# Altium PCB MOTOR SECOND.PcbDoc (part 2 of 4) (continued)
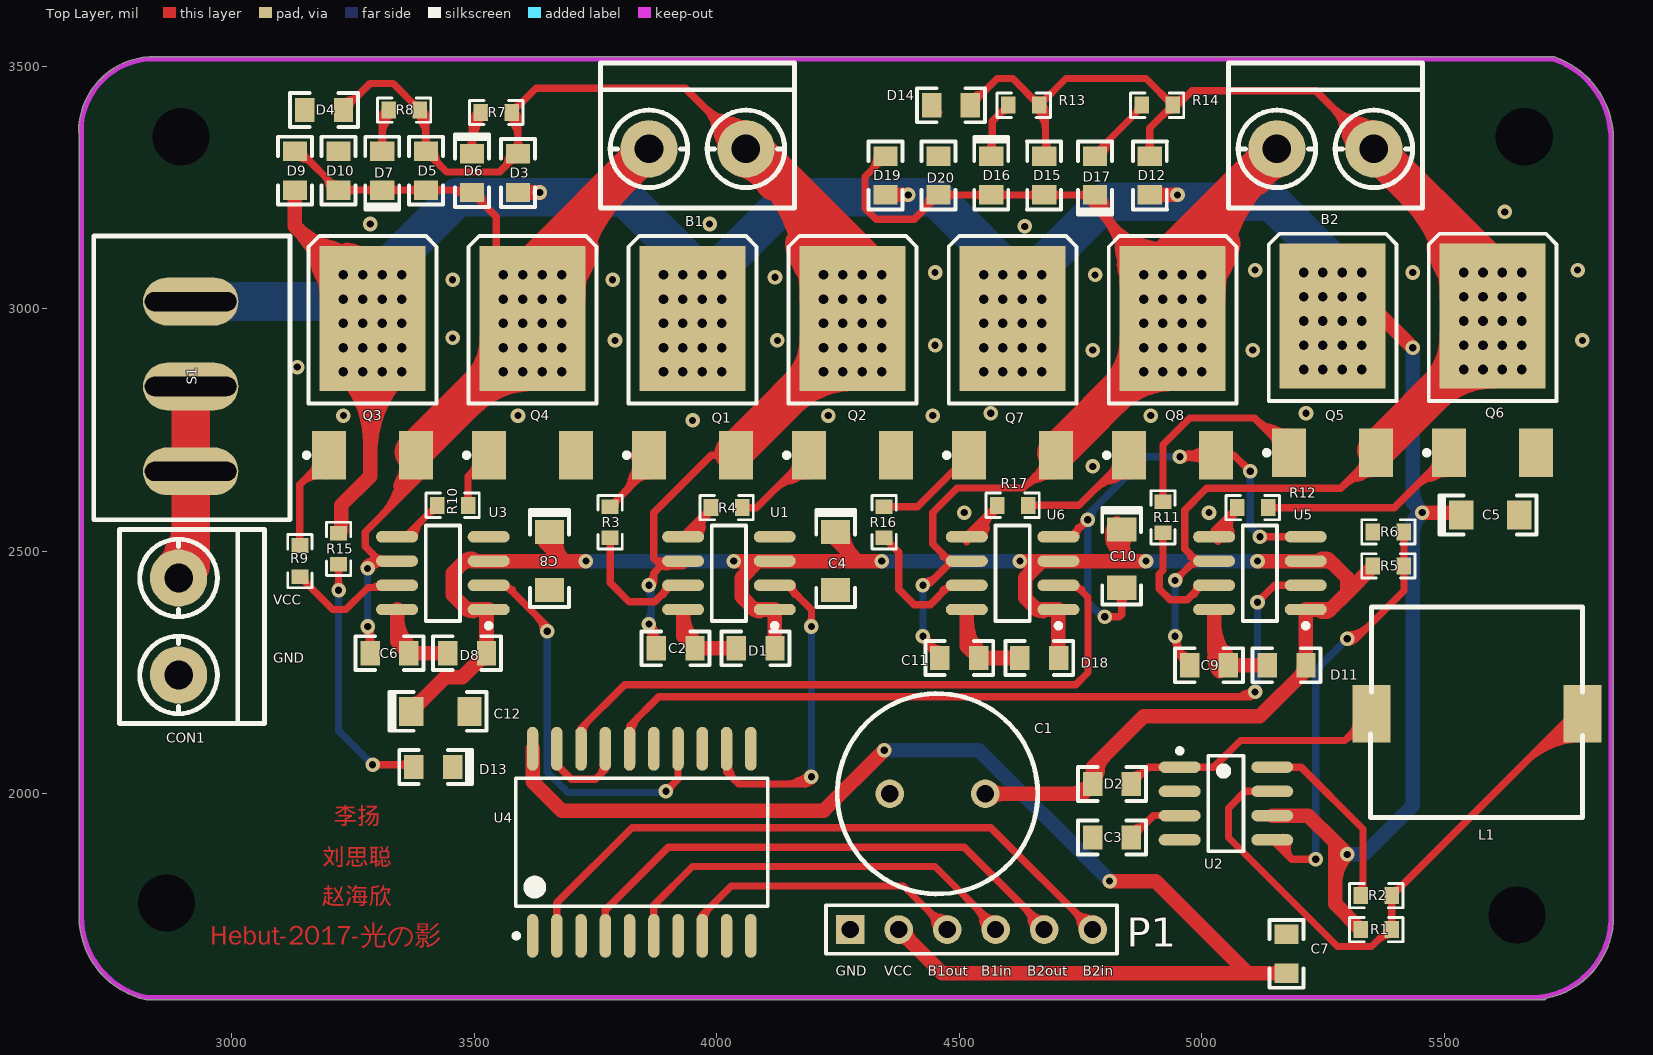
[diagram p0: Top Layer view]
## Nets (pads, with @x,y where several pads share a name; then routed paths per layer and width w, separated by ;. In a path a pad name is that pad's centre, name@x,y a point inside that pad or via, vN(x,y) a via of type N, cw(c..) or ccw(c..) an arc to the next point about the centre after c; other vN are vias at no path point) (continued)
  Bottom Layer w15: v2(3220,2420) 3220,2130 v2(3290,2060) ; v2@3214.7,2414.7 cw(c3201.89,2401.89) 3220,2401.89 ; v2@3214.7,2414.7 cw(c3201.89,2401.89) 3220,2401.89 ; v2@3214.7,2414.7 cw(c3201.89,2401.89) 3220,2401.89 ; 3220,2401.89 cw(c3238.11,2401.89) v2@3225.3,2414.7 ; 3220,2401.89 cw(c3238.11,2401.89) v2@3225.3,2414.7 ; 3220,2401.89 cw(c3238.11,2401.89) v2@3225.3,2414.7 ; 3277.2,2072.8 ccw(c3290,2085.61) v2@3290,2067.5 ; 3277.2,2072.8 cw(c3264.39,2060) v2@3282.5,2060 ; 3277.2,2072.8 ccw(c3290,2085.61) v2@3290,2067.5 ; 3277.2,2072.8 cw(c3264.39,2060) v2@3282.5,2060 ; 3277.2,2072.8 ccw(c3290,2085.61) v2@3290,2067.5 ; 3277.2,2072.8 cw(c3264.39,2060) v2@3282.5,2060
NetD16_2: D16.2 R13.1 | length 323.3
  Top Layer w15: D16.2@4581.33,3315 4568,3328.33 4568,3387 R13.1@4601,3420 ; D16.2@4557.16,3323.84 ccw(c4530.99,3350.01) 4568,3350.01 ; D16.2@4557.16,3323.84 ccw(c4530.99,3350.01) 4568,3350.01 ; D16.2@4557.16,3323.84 ccw(c4530.99,3350.01) 4568,3350.01 ; 4568,3340.35 ccw(c4591.35,3340.35) D16.2@4574.84,3323.84 ; 4568,3340.35 ccw(c4591.35,3340.35) D16.2@4574.84,3323.84 ; 4568,3340.35 ccw(c4591.35,3340.35) D16.2@4574.84,3323.84 ; 4583.93,3402.93 cw(c4601,3385.86) R13.1@4601,3410 ; 4583.93,3402.93 cw(c4601,3385.86) R13.1@4601,3410 ; 4583.93,3402.93 cw(c4601,3385.86) R13.1@4601,3410
NetD17_1: D17.1 R14.1 | length 389.3
  Top Layer w15: D17.1@4783,3322.5 R14.1@4878,3417.5 ; D17.1@4786.02,3312.72 ccw(c4774.41,3338.66) D17.1@4801.87,3331.31 ; D17.1@4786.02,3312.72 ccw(c4774.41,3338.66) D17.1@4801.87,3331.31 ; D17.1@4786.02,3312.72 ccw(c4774.41,3338.66) D17.1@4801.87,3331.31 ; D17.1@4797.5,3315 cw(c4850.61,3315) 4813.06,3352.56 ; D17.1@4797.5,3315 cw(c4850.61,3315) 4813.06,3352.56 ; D17.1@4797.5,3315 cw(c4850.61,3315) 4813.06,3352.56 ; 4861.78,3401.28 ccw(c4845.56,3417.5) R14.1@4868.5,3417.5 ; 4861.78,3401.28 ccw(c4845.56,3417.5) R14.1@4868.5,3417.5 ; 4861.78,3401.28 ccw(c4845.56,3417.5) R14.1@4868.5,3417.5
NetL1_1: L1.1 R1.1 R2.2 U2.7 | length 1674.5
  Top Layer w15: U2.7@5145.47,2005 5090,2005 5055,1970 5055,1910 5280,1685 5350.25,1685 5385.25,1720 R1.1@5392,1720 R2.2@5392,1790 L1.1@5767,2165 ; 5363.4,1698.16 cw(c5392,1669.56) R1.1@5392,1710 ; R1.1@5386.7,1727.8 ccw(c5373.89,1740.61) 5392,1740.61 ccw(c5410.11,1740.61) R1.1@5397.3,1727.8 ; R2.2@5386.7,1782.2 cw(c5373.89,1769.39) 5392,1769.39 cw(c5410.11,1769.39) R2.2@5397.3,1782.2 ; R2.2@5392,1800 ccw(c5392,1824.14) 5409.07,1807.07 ; 5666.26,2064.26 cw(c5785,1945.52) L1.1@5785,2113.44 ; 5691.87,2089.87 cw(c5785,1996.74) L1.1@5785,2128.44 ; 5717.48,2115.48 cw(c5785,2047.95) L1.1@5785,2143.44 ; 5743.08,2141.08 cw(c5785,2099.16) L1.1@5785,2158.44
NetP1_3: P1.3 U4.8 | length 1222.1
  Top Layer w15: U4.8@3970,1707.09 3970,1750 4030,1810 4385,1810 P1.3@4475,1720 ; U4.8@3974.1,1741.88 cw(c3984.82,1745.33) 3976.86,1753.3 ; U4.8@3967.84,1744.28 ccw(c3955.53,1765.61) 3979.32,1759.24 ; U4.8@3967.84,1744.28 ccw(c3955.53,1765.61) 3979.32,1759.24 ; U4.8@3967.84,1744.28 ccw(c3955.53,1765.61) 3979.32,1759.24 ; U4.8@3974.31,1740.55 cw(c4007.53,1740.55) 3984.04,1764.04 ; U4.8@3974.31,1740.55 cw(c4007.53,1740.55) 3984.04,1764.04 ; U4.8@3974.31,1740.55 cw(c4007.53,1740.55) 3984.04,1764.04 ; 4437.4,1757.6 ccw(c4475,1795.21) P1.3@4475,1742.03 ; 4437.4,1757.6 cw(c4399.79,1720) P1.3@4452.97,1720 ; 4437.4,1757.6 ccw(c4475,1795.21) P1.3@4475,1742.03 ; 4437.4,1757.6 cw(c4399.79,1720) P1.3@4452.97,1720 ; 4437.4,1757.6 ccw(c4475,1795.21) P1.3@4475,1742.03 ; 4437.4,1757.6 cw(c4399.79,1720) P1.3@4452.97,1720 ; 4448.88,1735.29 ccw(c4479.83,1743.58) P1.3@4473.4,1712.19 ; 4448.88,1735.29 ccw(c4479.83,1743.58) P1.3@4473.4,1712.19 ; 4448.88,1735.29 ccw(c4479.83,1743.58) P1.3@4473.4,1712.19 ; 4459.71,1746.12 cw(c4451.42,1715.17) P1.3@4482.81,1721.6 ; 4459.71,1746.12 cw(c4451.42,1715.17) P1.3@4482.81,1721.6 ; 4459.71,1746.12 cw(c4451.42,1715.17) P1.3@4482.81,1721.6
NetP1_4: P1.4 U4.6 | length 1217.7
  Top Layer w15: U4.6@3870,1707.09 3870,1770 3950,1850 4450,1850 4575,1725 P1.4@4575,1720 ; 4533.86,1766.14 cw(c4487.72,1720) P1.4@4552.97,1720 ; 4533.86,1766.14 cw(c4487.72,1720) P1.4@4552.97,1720 ; 4533.86,1766.14 cw(c4487.72,1720) P1.4@4552.97,1720 ; 4545.93,1754.07 ccw(c4575,1783.14) P1.4@4575,1742.03 ; 4545.93,1754.07 ccw(c4575,1783.14) P1.4@4575,1742.03 ; 4545.93,1754.07 ccw(c4575,1783.14) P1.4@4575,1742.03 ; 4548.38,1737.14 ccw(c4582.47,1746.28) P1.4@4572.82,1712.33 ; 4548.38,1737.14 ccw(c4582.47,1746.28) P1.4@4572.82,1712.33 ; 4548.38,1737.14 ccw(c4582.47,1746.28) P1.4@4572.82,1712.33
NetP1_5: P1.5 U4.4 | length 1445
  Top Layer w15: U4.4@3770,1707.09 3770,1760 3900,1890 4510,1890 4675,1725 P1.5@4675,1720 ; 4633.86,1766.14 cw(c4587.72,1720) P1.5@4652.97,1720 ; 4633.86,1766.14 cw(c4587.72,1720) P1.5@4652.97,1720 ; 4633.86,1766.14 cw(c4587.72,1720) P1.5@4652.97,1720 ; 4645.93,1754.07 ccw(c4675,1783.14) P1.5@4675,1742.03 ; 4645.93,1754.07 ccw(c4675,1783.14) P1.5@4675,1742.03 ; 4645.93,1754.07 ccw(c4675,1783.14) P1.5@4675,1742.03 ; 4648.38,1737.14 ccw(c4682.47,1746.28) P1.5@4672.82,1712.33 ; 4648.38,1737.14 ccw(c4682.47,1746.28) P1.5@4672.82,1712.33 ; 4648.38,1737.14 ccw(c4682.47,1746.28) P1.5@4672.82,1712.33
NetP1_6: P1.6 U4.2 | length 1787.6
  Top Layer w15: U4.2@3670,1707.09 3670,1775 3825,1930 4565,1930 P1.6@4775,1720 ; 4737.4,1757.6 ccw(c4775,1795.21) P1.6@4775,1742.03 ; 4737.4,1757.6 cw(c4699.79,1720) P1.6@4752.97,1720 ; 4737.4,1757.6 ccw(c4775,1795.21) P1.6@4775,1742.03 ; 4737.4,1757.6 cw(c4699.79,1720) P1.6@4752.97,1720 ; 4737.4,1757.6 ccw(c4775,1795.21) P1.6@4775,1742.03 ; 4737.4,1757.6 cw(c4699.79,1720) P1.6@4752.97,1720 ; 4748.88,1735.29 ccw(c4779.83,1743.58) P1.6@4773.4,1712.19 ; 4748.88,1735.29 ccw(c4779.83,1743.58) P1.6@4773.4,1712.19 ; 4748.88,1735.29 ccw(c4779.83,1743.58) P1.6@4773.4,1712.19 ; 4759.71,1746.12 cw(c4751.42,1715.17) P1.6@4782.81,1721.6 ; 4759.71,1746.12 cw(c4751.42,1715.17) P1.6@4782.81,1721.6 ; 4759.71,1746.12 cw(c4751.42,1715.17) P1.6@4782.81,1721.6
NetQ1_1: Q1.1 R3.2 | length 834.5
  Top Layer w15: R3.2@3780,2592 3860.24,2672.24 Q1.1@3860.24,2698.27 ; Q1.1@3825.24,2698.27 Q1.1@3842.5,2681 ; R3.2@3790,2592 cw(c3814.14,2592) 3797.07,2609.07 ; R3.2@3790,2592 cw(c3814.14,2592) 3797.07,2609.07 ; R3.2@3790,2592 cw(c3814.14,2592) 3797.07,2609.07 ; 3805.49,2617.49 ccw(c3739.71,2683.27) Q1.1@3832.74,2683.27 ; 3805.49,2617.49 ccw(c3739.71,2683.27) Q1.1@3832.74,2683.27 ; 3805.49,2617.49 ccw(c3739.71,2683.27) Q1.1@3832.74,2683.27 ; 3822.91,2646.6 cw(c3877.73,2631.91) Q1.1@3859.43,2685.63 ; 3822.91,2646.6 cw(c3877.73,2631.91) Q1.1@3859.43,2685.63 ; 3822.91,2646.6 cw(c3877.73,2631.91) Q1.1@3859.43,2685.63 ; 3831.1,2643.1 ccw(c3790.92,2683.27) Q1.1@3847.74,2683.27 ; 3831.1,2643.1 ccw(c3790.92,2683.27) Q1.1@3847.74,2683.27 ; 3831.1,2643.1 ccw(c3790.92,2683.27) Q1.1@3847.74,2683.27 ; 3832.12,2644.12 cw(c3860.24,2616.01) Q1.1@3860.24,2655.77 ; 3832.12,2644.12 cw(c3860.24,2616.01) Q1.1@3860.24,2655.77 ; 3832.12,2644.12 cw(c3860.24,2616.01) Q1.1@3860.24,2655.77
NetQ2_1: Q2.1 R4.2 | length 910
  Top Layer w15: R4.2@4052,2590 4081.97,2590 Q2.1@4190.24,2698.27 ; R4.2@4057.3,2584.7 cw(c4070.11,2571.89) 4070.11,2590 ; R4.2@4057.3,2584.7 cw(c4070.11,2571.89) 4070.11,2590 ; R4.2@4057.3,2584.7 cw(c4070.11,2571.89) 4070.11,2590 ; R4.2@4057.3,2595.3 ccw(c4070.11,2608.11) 4070.11,2590 ; R4.2@4057.3,2595.3 ccw(c4070.11,2608.11) 4070.11,2590 ; R4.2@4057.3,2595.3 ccw(c4070.11,2608.11) 4070.11,2590 ; 4117.68,2625.72 cw(c4190.24,2553.16) Q2.1@4190.24,2655.77 ; 4117.68,2625.72 cw(c4190.24,2553.16) Q2.1@4190.24,2655.77 ; 4117.68,2625.72 cw(c4190.24,2553.16) Q2.1@4190.24,2655.77 ; 4143.29,2651.32 cw(c4190.24,2604.38) Q2.1@4190.24,2670.77 ; 4143.29,2651.32 cw(c4190.24,2604.38) Q2.1@4190.24,2670.77 ; 4143.29,2651.32 cw(c4190.24,2604.38) Q2.1@4190.24,2670.77 ; 4151.44,2645.37 ccw(c4135.65,2704.28) Q2.1@4192.57,2682.37 ; 4151.44,2645.37 ccw(c4135.65,2704.28) Q2.1@4192.57,2682.37 ; 4151.44,2645.37 ccw(c4135.65,2704.28) Q2.1@4192.57,2682.37 ; 4153.9,2661.93 ccw(c4132.56,2683.27) Q2.1@4162.74,2683.27 ; 4153.9,2661.93 ccw(c4132.56,2683.27) Q2.1@4162.74,2683.27 ; 4153.9,2661.93 ccw(c4132.56,2683.27) Q2.1@4162.74,2683.27
NetQ3_1: Q3.1 R9.2 | length 673.3
  Top Layer w15: R9.2@3140,2512 3140,2638.03 ; Q3.1@3200.24,2698.27 3140,2638.03 ; R9.2@3134.7,2517.3 ccw(c3121.89,2530.11) 3140,2530.11 ; R9.2@3134.7,2517.3 ccw(c3121.89,2530.11) 3140,2530.11 ; R9.2@3134.7,2517.3 ccw(c3121.89,2530.11) 3140,2530.11 ; 3140,2530.11 ccw(c3158.11,2530.11) R9.2@3145.3,2517.3 ; 3140,2530.11 ccw(c3158.11,2530.11) R9.2@3145.3,2517.3 ; 3140,2530.11 ccw(c3158.11,2530.11) R9.2@3145.3,2517.3 ; 3140,2638.03 cw(c3185.63,2592.41) Q3.1@3195.87,2656.12 ; 3140,2638.03 cw(c3185.63,2592.41) Q3.1@3195.87,2656.12 ; 3140,2638.03 cw(c3185.63,2592.41) Q3.1@3195.87,2656.12 ; 3160.76,2658.79 cw(c3191.38,2628.17) Q3.1@3198.25,2670.93 ; 3160.76,2658.79 cw(c3191.38,2628.17) Q3.1@3198.25,2670.93 ; 3160.76,2658.79 cw(c3191.38,2628.17) Q3.1@3198.25,2670.93 ; 3163.9,2661.93 ccw(c3142.56,2683.27) Q3.1@3172.74,2683.27 ; 3163.9,2661.93 ccw(c3142.56,2683.27) Q3.1@3172.74,2683.27 ; 3163.9,2661.93 ccw(c3142.56,2683.27) Q3.1@3172.74,2683.27
NetQ4_1: Q4.1 R10.2 | length 374.8
  Top Layer w15: R10.2@3487,2595 3487,2655.03 ; Q4.1@3530.24,2698.27 3487,2655.03 ; R10.2@3481.7,2602.8 ccw(c3468.89,2615.61) 3487,2615.61 ; R10.2@3481.7,2602.8 ccw(c3468.89,2615.61) 3487,2615.61 ; R10.2@3481.7,2602.8 ccw(c3468.89,2615.61) 3487,2615.61 ; 3487,2615.61 ccw(c3505.11,2615.61) R10.2@3492.3,2602.8 ; 3487,2615.61 ccw(c3505.11,2615.61) R10.2@3492.3,2602.8 ; 3487,2615.61 ccw(c3505.11,2615.61) R10.2@3492.3,2602.8 ; 3487,2655.03 cw(c3504.72,2637.31) Q4.1@3516.89,2659.22 ; 3487,2655.03 cw(c3504.72,2637.31) Q4.1@3516.89,2659.22 ; 3487,2655.03 cw(c3504.72,2637.31) Q4.1@3516.89,2659.22 ; 3493.9,2661.93 ccw(c3472.56,2683.27) Q4.1@3502.74,2683.27 ; 3493.9,2661.93 ccw(c3472.56,2683.27) Q4.1@3502.74,2683.27 ; 3493.9,2661.93 ccw(c3472.56,2683.27) Q4.1@3502.74,2683.27
NetQ5_1: Q5.1 R11.2 | length 1156.2
  Top Layer w15: R11.2@4910,2602 4920,2612 4920,2720 4975,2775 5108.5,2775 ; Q5.1@5180.24,2703.27 5108.5,2775 ; R11.2@4914.7,2607.3 ccw(c4901.89,2620.11) 4920,2620.11 ; R11.2@4914.7,2607.3 ccw(c4901.89,2620.11) 4920,2620.11 ; R11.2@4914.7,2607.3 ccw(c4901.89,2620.11) 4920,2620.11 ; 4920,2620.11 ccw(c4938.11,2620.11) R11.2@4925.3,2607.3 ; 4920,2620.11 ccw(c4938.11,2620.11) R11.2@4925.3,2607.3 ; 4920,2620.11 ccw(c4938.11,2620.11) R11.2@4925.3,2607.3 ; 5108.51,2775 ccw(c5179.09,2845.58) Q5.1@5179.99,2745.77 ; 5108.51,2775 ccw(c5179.09,2845.58) Q5.1@5179.99,2745.77 ; 5108.51,2775 ccw(c5179.09,2845.58) Q5.1@5179.99,2745.77 ; 5133.79,2749.71 ccw(c5179.54,2795.46) Q5.1@5180.12,2730.77 ; 5133.79,2749.71 ccw(c5179.54,2795.46) Q5.1@5180.12,2730.77 ; 5133.79,2749.71 ccw(c5179.54,2795.46) Q5.1@5180.12,2730.77 ; 5140.87,2755.87 cw(c5125.5,2696.36) Q5.1@5182.56,2719.2 ; 5140.87,2755.87 cw(c5125.5,2696.36) Q5.1@5182.56,2719.2 ; 5140.87,2755.87 cw(c5125.5,2696.36) Q5.1@5182.56,2719.2 ; 5143.9,2739.61 cw(c5122.56,2718.27) Q5.1@5152.74,2718.27 ; 5143.9,2739.61 cw(c5122.56,2718.27) Q5.1@5152.74,2718.27 ; 5143.9,2739.61 cw(c5122.56,2718.27) Q5.1@5152.74,2718.27
NetQ6_1: Q6.1 R12.2 | length 1147
  Top Layer w15: R12.2@5137,2590 5396.97,2590 Q6.1@5510.24,2703.27 ; R12.2@5142.3,2584.7 cw(c5155.11,2571.89) 5155.11,2590 ; R12.2@5142.3,2584.7 cw(c5155.11,2571.89) 5155.11,2590 ; R12.2@5142.3,2584.7 cw(c5155.11,2571.89) 5155.11,2590 ; R12.2@5142.3,2595.3 ccw(c5155.11,2608.11) 5155.11,2590 ; R12.2@5142.3,2595.3 ccw(c5155.11,2608.11) 5155.11,2590 ; R12.2@5142.3,2595.3 ccw(c5155.11,2608.11) 5155.11,2590 ; 5437.68,2630.72 cw(c5510.24,2558.16) Q6.1@5510.24,2660.77 ; 5437.68,2630.72 cw(c5510.24,2558.16) Q6.1@5510.24,2660.77 ; 5437.68,2630.72 cw(c5510.24,2558.16) Q6.1@5510.24,2660.77 ; 5463.29,2656.32 cw(c5510.24,2609.38) Q6.1@5510.24,2675.77 ; 5463.29,2656.32 cw(c5510.24,2609.38) Q6.1@5510.24,2675.77 ; 5463.29,2656.32 cw(c5510.24,2609.38) Q6.1@5510.24,2675.77 ; 5471.44,2650.37 ccw(c5455.65,2709.28) Q6.1@5512.57,2687.37 ; 5471.44,2650.37 ccw(c5455.65,2709.28) Q6.1@5512.57,2687.37 ; 5471.44,2650.37 ccw(c5455.65,2709.28) Q6.1@5512.57,2687.37 ; 5473.9,2666.93 ccw(c5452.56,2688.27) Q6.1@5482.74,2688.27 ; 5473.9,2666.93 ccw(c5452.56,2688.27) Q6.1@5482.74,2688.27 ; 5473.9,2666.93 ccw(c5452.56,2688.27) Q6.1@5482.74,2688.27
NetQ7_1: Q7.1 R16.2 | length 304.6
  Top Layer w15: R16.2@4345,2592 4413.97,2592 Q7.1@4520.24,2698.27 ; R16.2@4352.8,2586.7 cw(c4365.61,2573.89) 4365.61,2592 ; R16.2@4352.8,2586.7 cw(c4365.61,2573.89) 4365.61,2592 ; R16.2@4352.8,2586.7 cw(c4365.61,2573.89) 4365.61,2592 ; R16.2@4352.8,2597.3 ccw(c4365.61,2610.11) 4365.61,2592 ; R16.2@4352.8,2597.3 ccw(c4365.61,2610.11) 4365.61,2592 ; R16.2@4352.8,2597.3 ccw(c4365.61,2610.11) 4365.61,2592
NetQ8_1: Q8.1 R17.2 | length 977.9
  Top Layer w15: R17.2@4642,2595 4746.97,2595 Q8.1@4850.24,2698.27 ; R17.2@4647.3,2589.7 cw(c4660.11,2576.89) 4660.11,2595 ; R17.2@4647.3,2589.7 cw(c4660.11,2576.89) 4660.11,2595 ; R17.2@4647.3,2589.7 cw(c4660.11,2576.89) 4660.11,2595 ; R17.2@4647.3,2600.3 ccw(c4660.11,2613.11) 4660.11,2595 ; R17.2@4647.3,2600.3 ccw(c4660.11,2613.11) 4660.11,2595 ; R17.2@4647.3,2600.3 ccw(c4660.11,2613.11) 4660.11,2595 ; 4777.68,2625.72 cw(c4850.24,2553.16) Q8.1@4850.24,2655.77 ; 4777.68,2625.72 cw(c4850.24,2553.16) Q8.1@4850.24,2655.77 ; 4777.68,2625.72 cw(c4850.24,2553.16) Q8.1@4850.24,2655.77 ; 4803.29,2651.32 cw(c4850.24,2604.38) Q8.1@4850.24,2670.77 ; 4803.29,2651.32 cw(c4850.24,2604.38) Q8.1@4850.24,2670.77 ; 4803.29,2651.32 cw(c4850.24,2604.38) Q8.1@4850.24,2670.77 ; 4811.44,2645.37 ccw(c4795.65,2704.28) Q8.1@4852.57,2682.37 ; 4811.44,2645.37 ccw(c4795.65,2704.28) Q8.1@4852.57,2682.37 ; 4811.44,2645.37 ccw(c4795.65,2704.28) Q8.1@4852.57,2682.37 ; 4813.9,2661.93 ccw(c4792.56,2683.27) Q8.1@4822.74,2683.27 ; 4813.9,2661.93 ccw(c4792.56,2683.27) Q8.1@4822.74,2683.27 ; 4813.9,2661.93 ccw(c4792.56,2683.27) Q8.1@4822.74,2683.27
NetR2_1: R2.1 U2.8 | length 405.5
  Top Layer w15: U2.8@5145.47,2055 5205,2055 5332.5,1927.5 5332.5,1794.5 R2.1@5328,1790 ; R2.1@5322.7,1797.8 ccw(c5299.03,1821.47) 5332.5,1821.47
NetR3_1: R3.1 U1.7 | length 493.3
  Top Layer w15: R3.1@3780,2528 3780,2435 3818.78,2396.22 3872.18,2396.22 3905.96,2430 U1.7@3930.51,2430 ; 3892.16,2417.25 ccw(c3884.19,2425.22) U1.7@3894.91,2428.68 ; R3.1@3774.7,2522.7 cw(c3761.89,2509.89) 3780,2509.89 ; R3.1@3774.7,2522.7 cw(c3761.89,2509.89) 3780,2509.89 ; R3.1@3774.7,2522.7 cw(c3761.89,2509.89) 3780,2509.89 ; 3780,2509.89 cw(c3798.11,2509.89) R3.1@3785.3,2522.7 ; 3780,2509.89 cw(c3798.11,2509.89) R3.1@3785.3,2522.7 ; 3780,2509.89 cw(c3798.11,2509.89) R3.1@3785.3,2522.7 ; 3886.74,2410.78 ccw(c3867.53,2430) U1.7@3894.7,2430 ; 3886.74,2410.78 ccw(c3867.53,2430) U1.7@3894.7,2430 ; 3886.74,2410.78 ccw(c3867.53,2430) U1.7@3894.7,2430 ; 3889.7,2411.31 cw(c3913.48,2404.94) U1.7@3901.17,2426.27 ; 3889.7,2411.31 cw(c3913.48,2404.94) U1.7@3901.17,2426.27 ; 3889.7,2411.31 cw(c3913.48,2404.94) U1.7@3901.17,2426.27
NetR4_1: R4.1 U1.5 | length 673.2
  Top Layer w15: U1.5@3930.51,2530 3930.51,2532.51 R4.1@3988,2590 ; U1.5@3965.89,2531.87 cw(c3974.99,2536.25) 3967.25,2542.73 ; U1.5@3936.42,2527.76 cw(c3957.43,2529.6) 3942.52,2544.52 ; U1.5@3936.42,2527.76 cw(c3957.43,2529.6) 3942.52,2544.52 ; U1.5@3936.42,2527.76 cw(c3957.43,2529.6) 3942.52,2544.52 ; U1.5@3951.36,2529.07 cw(c3999.25,2533.26) 3965.26,2567.26 ; U1.5@3951.36,2529.07 cw(c3999.25,2533.26) 3965.26,2567.26 ; U1.5@3951.36,2529.07 cw(c3999.25,2533.26) 3965.26,2567.26 ; U1.5@3959.53,2533.53 ccw(c3945.41,2553.7) 3969.66,2549.43 ; U1.5@3959.53,2533.53 ccw(c3945.41,2553.7) 3969.66,2549.43 ; U1.5@3959.53,2533.53 ccw(c3945.41,2553.7) 3969.66,2549.43 ; U1.5@3966.3,2530.38 cw(c4041.07,2536.93) R4.1@3988,2590 ; U1.5@3966.3,2530.38 cw(c4041.07,2536.93) R4.1@3988,2590 ; U1.5@3966.3,2530.38 cw(c4041.07,2536.93) R4.1@3988,2590 ; 3970.93,2572.93 cw(c3988,2555.86) R4.1@3988,2580 ; 3970.93,2572.93 cw(c3988,2555.86) R4.1@3988,2580 ; 3970.93,2572.93 cw(c3988,2555.86) R4.1@3988,2580 ; 3976.35,2569.83 cw(c3995.73,2558.64) R4.1@3989.94,2580.26 ; 3976.35,2569.83 cw(c3995.73,2558.64) R4.1@3989.94,2580.26 ; 3976.35,2569.83 cw(c3995.73,2558.64) R4.1@3989.94,2580.26 ; R4.1@3979.37,2575.06 ccw(c3967.39,2581.98) R4.1@3980.76,2585.56 ; R4.1@3979.37,2575.06 ccw(c3967.39,2581.98) R4.1@3980.76,2585.56 ; R4.1@3979.37,2575.06 ccw(c3967.39,2581.98) R4.1@3980.76,2585.56
NetR5_1: R5.1 R6.1 U2.5 | length 1485.3
  Top Layer w15: U2.5@5145.47,1905 5185.47,1865 ; v2(5235,1865) 5185.47,1865 ; v2@5300,2312.5 ccw(c5300,2338.11) 5318.11,2320 5417,2418.89 R5.1@5417,2470 R6.1@5417,2540 ; v2@5300,2327.5 ccw(c5300,2389.32) 5343.71,2345.61 ; R5.1@5411.7,2462.2 cw(c5398.89,2449.39) 5417,2449.39 cw(c5435.11,2449.39) R5.1@5422.3,2462.2 ; R5.1@5411.7,2477.8 ccw(c5398.89,2490.61) 5417,2490.61 ccw(c5435.11,2490.61) R5.1@5422.3,2477.8 ; R6.1@5411.7,2532.2 cw(c5398.89,2519.39) 5417,2519.39 cw(c5435.11,2519.39) R6.1@5422.3,2532.2 ; U2.5@5167.76,1910.43 ccw(c5190.26,1897.16) 5171.79,1878.69 ; U2.5@5167.76,1910.43 ccw(c5190.26,1897.16) 5171.79,1878.69 ; U2.5@5167.76,1910.43 ccw(c5190.26,1897.16) 5171.79,1878.69 ; U2.5@5180.68,1902.81 ccw(c5207.47,1886.99) 5185.47,1865 ; U2.5@5180.68,1902.81 ccw(c5207.47,1886.99) 5185.47,1865 ; U2.5@5180.68,1902.81 ccw(c5207.47,1886.99) 5185.47,1865 ; 5216.89,1865 ccw(c5216.89,1883.11) v2@5229.7,1870.3 ; 5216.89,1865 cw(c5216.89,1846.89) v2@5229.7,1859.7 ; 5216.89,1865 ccw(c5216.89,1883.11) v2@5229.7,1870.3 ; 5216.89,1865 cw(c5216.89,1846.89) v2@5229.7,1859.7 ; 5216.89,1865 ccw(c5216.89,1883.11) v2@5229.7,1870.3 ; 5216.89,1865 cw(c5216.89,1846.89) v2@5229.7,1859.7
  Bottom Layer w15: v2(5235,1865) 5235,2255 v2(5300,2320) ; v2@5229.7,1870.3 ccw(c5216.89,1883.11) 5235,1883.11 ; v2@5229.7,1870.3 ccw(c5216.89,1883.11) 5235,1883.11 ; v2@5229.7,1870.3 ccw(c5216.89,1883.11) 5235,1883.11 ; 5235,1883.11 ccw(c5253.11,1883.11) v2@5240.3,1870.3 ; 5235,1883.11 ccw(c5253.11,1883.11) v2@5240.3,1870.3 ; 5235,1883.11 ccw(c5253.11,1883.11) v2@5240.3,1870.3 ; 5287.2,2307.2 ccw(c5274.39,2320) v2@5292.5,2320 ; 5287.2,2307.2 cw(c5300,2294.39) v2@5300,2312.5 ; 5287.2,2307.2 ccw(c5274.39,2320) v2@5292.5,2320 ; 5287.2,2307.2 cw(c5300,2294.39) v2@5300,2312.5 ; 5287.2,2307.2 ccw(c5274.39,2320) v2@5292.5,2320 ; 5287.2,2307.2 cw(c5300,2294.39) v2@5300,2312.5
NetR9_1: R9.1 U3.7 | length 397
  Top Layer w15: R9.1@3140,2448 3208,2380 3235,2380 3280.59,2425.59 3336.11,2425.59 U3.7@3340.51,2430 ; R9.1@3150,2448 ccw(c3174.14,2448) 3157.07,2430.93 ; R9.1@3150,2448 ccw(c3174.14,2448) 3157.07,2430.93 ; R9.1@3150,2448 ccw(c3174.14,2448) 3157.07,2430.93 ; 3287.97,2425.59 ccw(c3287.97,2451.05) U3.7@3305.97,2433.05 ; 3287.97,2425.59 ccw(c3287.97,2451.05) U3.7@3305.97,2433.05 ; 3287.97,2425.59 ccw(c3287.97,2451.05) U3.7@3305.97,2433.05 ; 3296.64,2427.66 cw(c3300.77,2420.51) U3.7@3306.19,2426.75 ; 3296.64,2427.66 cw(c3300.77,2420.51) U3.7@3306.19,2426.75 ; 3296.64,2427.66 cw(c3300.77,2420.51) U3.7@3306.19,2426.75
NetR10_1: R10.1 U3.5 | length 340.9
  Top Layer w15: U3.5@3340.51,2530 3358,2530 R10.1@3423,2595 ; U3.5@3376.11,2531.32 cw(c3386.83,2534.78) 3378.87,2542.75 ; U3.5@3369.85,2533.73 ccw(c3357.54,2555.06) 3381.33,2548.69 ; U3.5@3369.85,2533.73 ccw(c3357.54,2555.06) 3381.33,2548.69 ; U3.5@3369.85,2533.73 ccw(c3357.54,2555.06) 3381.33,2548.69 ; U3.5@3376.32,2530 cw(c3420.55,2530) 3389.27,2561.27 ; U3.5@3376.32,2530 cw(c3420.55,2530) 3389.27,2561.27 ; U3.5@3376.32,2530 cw(c3420.55,2530) 3389.27,2561.27 ; 3405.93,2577.93 cw(c3423,2560.86) R10.1@3423,2585 ; 3405.93,2577.93 cw(c3423,2560.86) R10.1@3423,2585 ; 3405.93,2577.93 cw(c3423,2560.86) R10.1@3423,2585
NetR11_1: R11.1 U5.7 | length 471.8
  Top Layer w15: R11.1@4910,2538 4920,2528 4920,2460.96 4912.5,2453.46 4912.5,2422.5 4935,2400 4970,2400 5000,2430 U5.7@5025.51,2430 ; 4987.16,2417.25 ccw(c4979.19,2425.22) U5.7@4989.91,2428.68 ; R11.1@4914.7,2532.7 cw(c4901.89,2519.89) 4920,2519.89 ; R11.1@4914.7,2532.7 cw(c4901.89,2519.89) 4920,2519.89 ; R11.1@4914.7,2532.7 cw(c4901.89,2519.89) 4920,2519.89 ; 4920,2519.89 cw(c4938.11,2519.89) R11.1@4925.3,2532.7 ; 4920,2519.89 cw(c4938.11,2519.89) R11.1@4925.3,2532.7 ; 4920,2519.89 cw(c4938.11,2519.89) R11.1@4925.3,2532.7 ; 4982.43,2412.43 ccw(c4964.85,2430) U5.7@4989.7,2430 ; 4982.43,2412.43 ccw(c4964.85,2430) U5.7@4989.7,2430 ; 4982.43,2412.43 ccw(c4964.85,2430) U5.7@4989.7,2430 ; 4984.7,2411.31 cw(c5008.48,2404.94) U5.7@4996.17,2426.27 ; 4984.7,2411.31 cw(c5008.48,2404.94) U5.7@4996.17,2426.27 ; 4984.7,2411.31 cw(c5008.48,2404.94) U5.7@4996.17,2426.27
NetR12_1: R12.1 U5.5 | length 803.9
  Top Layer w15: U5.5@5025.51,2530 5025.51,2542.51 R12.1@5073,2590 ; U5.5@5033.16,2520.46 cw(c5065.33,2533.33) 5040.83,2557.83 ; U5.5@5033.16,2520.46 cw(c5065.33,2533.33) 5040.83,2557.83 ; U5.5@5033.16,2520.46 cw(c5065.33,2533.33) 5040.83,2557.83 ; U5.5@5047.08,2526.03 cw(c5088.31,2542.52) 5056.91,2573.91 ; U5.5@5047.08,2526.03 cw(c5088.31,2542.52) 5056.91,2573.91 ; U5.5@5047.08,2526.03 cw(c5088.31,2542.52) 5056.91,2573.91 ; U5.5@5055.12,2533.87 ccw(c5051.47,2541.35) 5059.73,2542.34 ; U5.5@5055.12,2533.87 ccw(c5051.47,2541.35) 5059.73,2542.34 ; U5.5@5055.12,2533.87 ccw(c5051.47,2541.35) 5059.73,2542.34 ; 5055.93,2572.93 cw(c5073,2555.86) R12.1@5073,2580 ; 5055.93,2572.93 cw(c5073,2555.86) R12.1@5073,2580 ; 5055.93,2572.93 cw(c5073,2555.86) R12.1@5073,2580 ; U5.5@5061.01,2531.6 cw(c5111.29,2551.71) R12.1@5073,2590 ; U5.5@5061.01,2531.6 cw(c5111.29,2551.71) R12.1@5073,2590 ; U5.5@5061.01,2531.6 cw(c5111.29,2551.71) R12.1@5073,2590 ; 5061.35,2569.83 cw(c5080.73,2558.64) R12.1@5074.94,2580.26 ; 5061.35,2569.83 cw(c5080.73,2558.64) R12.1@5074.94,2580.26 ; 5061.35,2569.83 cw(c5080.73,2558.64) R12.1@5074.94,2580.26 ; 5061.35,2569.83 cw(c5080.73,2558.64) R12.1@5074.94,2580.26 ; 5061.35,2569.83 cw(c5080.73,2558.64) R12.1@5074.94,2580.26 ; 5061.35,2569.83 cw(c5080.73,2558.64) R12.1@5074.94,2580.26 ; R12.1@5064.37,2575.06 ccw(c5052.39,2581.98) R12.1@5065.76,2585.56 ; R12.1@5064.37,2575.06 ccw(c5052.39,2581.98) R12.1@5065.76,2585.56 ; R12.1@5064.37,2575.06 ccw(c5052.39,2581.98) R12.1@5065.76,2585.56 ; R12.1@5064.37,2575.06 ccw(c5052.39,2581.98) R12.1@5065.76,2585.56 ; R12.1@5064.37,2575.06 ccw(c5052.39,2581.98) R12.1@5065.76,2585.56 ; R12.1@5064.37,2575.06 ccw(c5052.39,2581.98) R12.1@5065.76,2585.56
NetR16_1: R16.1 U6.7 | length 456.3
  Top Layer w15: R16.1@4345,2528 4375,2498 4375,2422 4407,2390 4440,2390 4480,2430 U6.7@4515.51,2430 ; 4472.75,2423.49 cw(c4479.43,2417.61) U6.7@4482.52,2425.96 ; R16.1@4355,2528 ccw(c4379.14,2528) 4362.07,2510.93 ; R16.1@4355,2528 ccw(c4379.14,2528) 4362.07,2510.93 ; R16.1@4355,2528 ccw(c4379.14,2528) 4362.07,2510.93 ; 4467,2421.13 ccw(c4461.66,2441.06) U6.7@4480.15,2431.91 ; 4467,2421.13 ccw(c4461.66,2441.06) U6.7@4480.15,2431.91 ; 4467,2421.13 ccw(c4461.66,2441.06) U6.7@4480.15,2431.91 ; 4469.8,2419.8 cw(c4484.02,2405.59) U6.7@4484.02,2425.69 ; 4469.8,2419.8 cw(c4484.02,2405.59) U6.7@4484.02,2425.69 ; 4469.8,2419.8 cw(c4484.02,2405.59) U6.7@4484.02,2425.69
NetR17_1: R17.1 U6.5 | length 709.7
  Top Layer w15: U6.5@4515.51,2520 4515.51,2532.51 R17.1@4578,2595 ; U6.5@4551.1,2531.36 cw(c4561.7,2534.9) 4553.75,2542.75 ; U6.5@4521.32,2529.84 cw(c4541.49,2529.97) 4527.23,2544.23 ; U6.5@4521.32,2529.84 cw(c4541.49,2529.97) 4527.23,2544.23 ; U6.5@4521.32,2529.84 cw(c4541.49,2529.97) 4527.23,2544.23 ; U6.5@4536.32,2529.93 cw(c4591.95,2530.28) 4552.61,2569.61 ; U6.5@4536.32,2529.93 cw(c4591.95,2530.28) 4552.61,2569.61 ; U6.5@4536.32,2529.93 cw(c4591.95,2530.28) 4552.61,2569.61 ; U6.5@4544.83,2533.72 ccw(c4532.39,2554.97) 4556.21,2548.74 ; U6.5@4544.83,2533.72 ccw(c4532.39,2554.97) 4556.21,2548.74 ; U6.5@4544.83,2533.72 ccw(c4532.39,2554.97) 4556.21,2548.74 ; U6.5@4551.32,2530.03 cw(c4642.41,2530.59) R17.1@4578,2595 ; U6.5@4551.32,2530.03 cw(c4642.41,2530.59) R17.1@4578,2595 ; U6.5@4551.32,2530.03 cw(c4642.41,2530.59) R17.1@4578,2595 ; 4560.93,2577.93 cw(c4578,2560.86) R17.1@4578,2585 ; 4560.93,2577.93 cw(c4578,2560.86) R17.1@4578,2585 ; 4560.93,2577.93 cw(c4578,2560.86) R17.1@4578,2585 ; 4566.35,2574.83 cw(c4585.73,2563.64) R17.1@4579.94,2585.26 ; 4566.35,2574.83 cw(c4585.73,2563.64) R17.1@4579.94,2585.26 ; 4566.35,2574.83 cw(c4585.73,2563.64) R17.1@4579.94,2585.26 ; R17.1@4569.37,2580.06 ccw(c4557.39,2586.98) R17.1@4570.76,2590.56 ; R17.1@4569.37,2580.06 ccw(c4557.39,2586.98) R17.1@4570.76,2590.56 ; R17.1@4569.37,2580.06 ccw(c4557.39,2586.98) R17.1@4570.76,2590.56